# KiCad board INS-1 Matrix Display.kicad_pcb (continued)
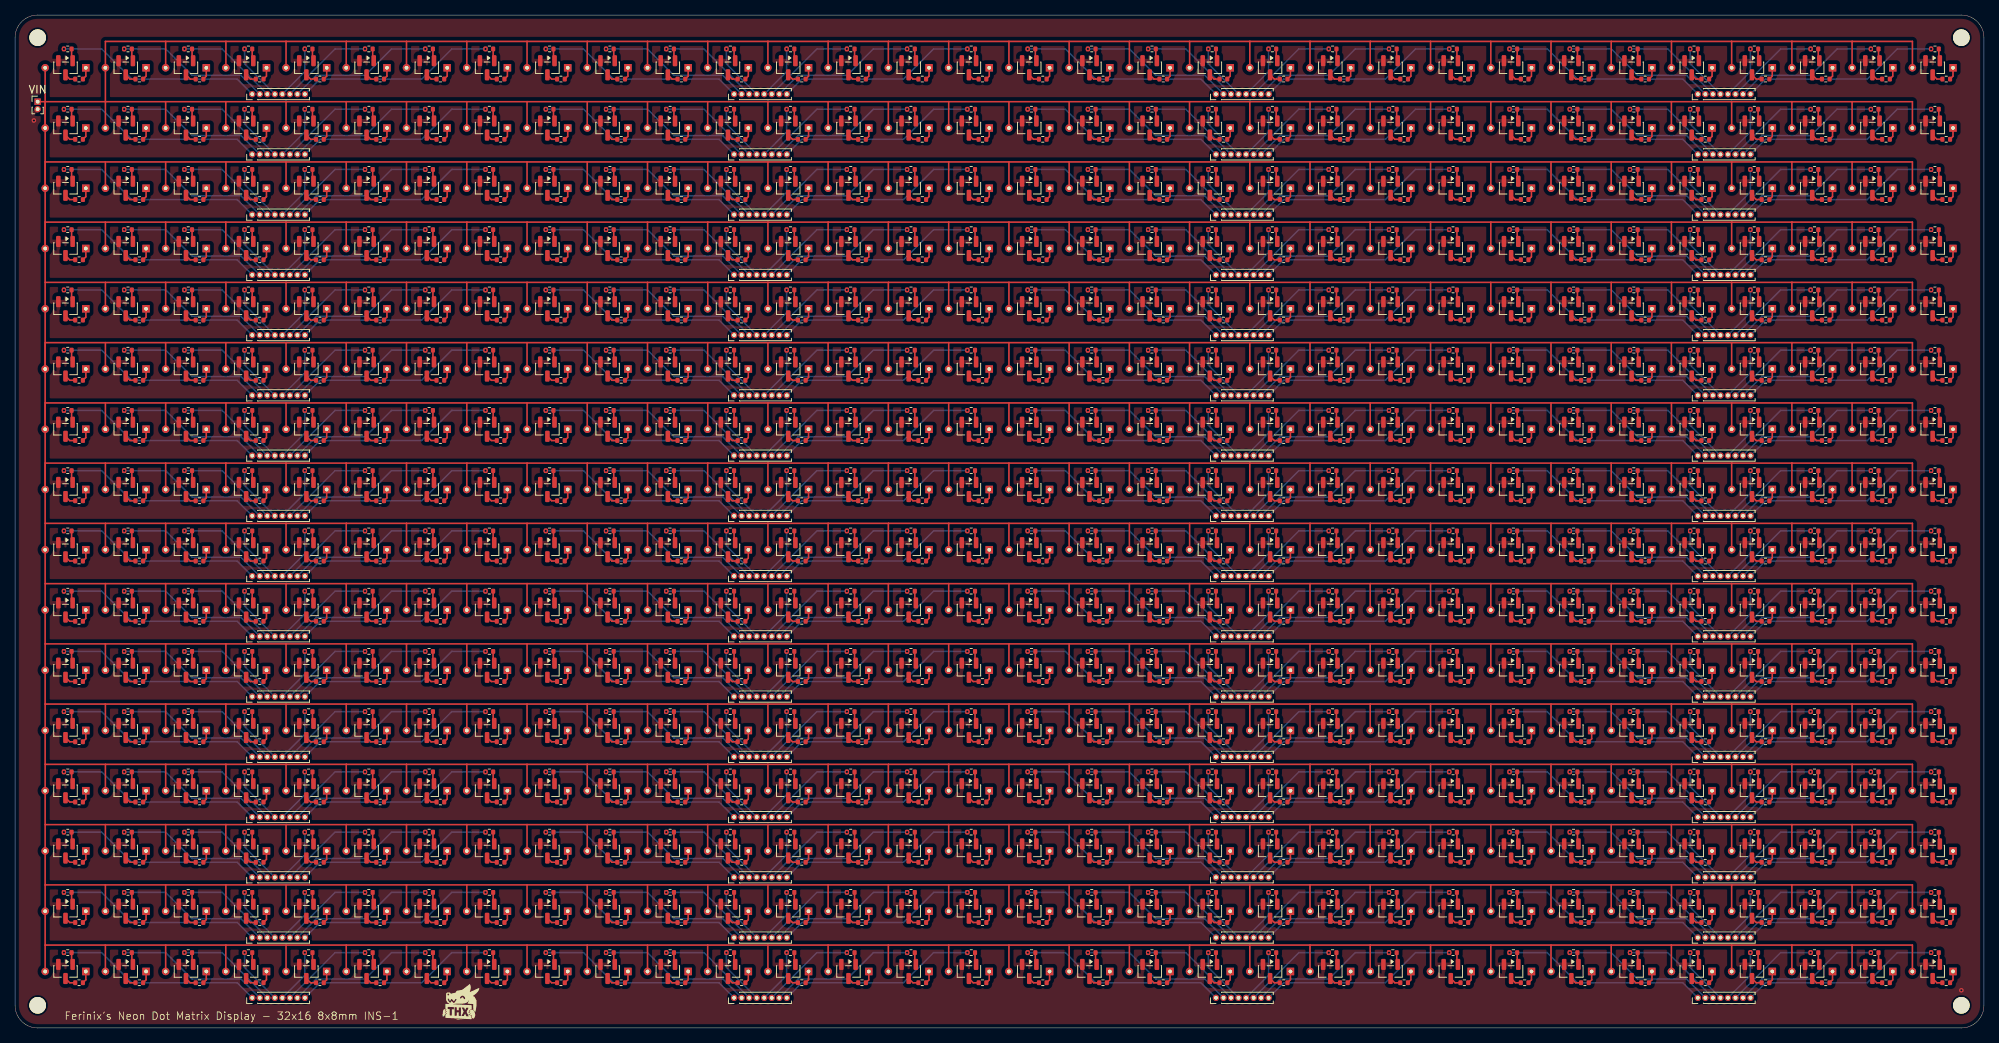
[diagram p0: board, top side]
## Routing (per net, layer and track width the routed paths; a pad name or vN(x,y) marks a point on that pad's centre or on a via; arc(x,y) is an arc through that point) (continued)
  Bottom w0.2: RegisterLane#20.1 157.5,30 143.5,30 139.5,34 v1(134.49,34) ; RegisterLane#20.8 168.5,30 182,30 186,34 v1(190.48,34) ; v1(206.49,90) 212,90 215.5,86.5 222,86.5 RegisterLane#42.2 ; v1(14.49,106) 20,106 23.5,102.5 30,102.5 RegisterLane#31.2 ; RegisterLane#47.3 219.5,82 v1(214.49,82) ; v1(254.48,82) 250,82 246,78 232.5,78 RegisterLane#47.8 ; RegisterLane#56.2 30,118.5 23.5,118.5 20,122 v1(14.49,122) ; v1(150.49,122) 155.5,122 RegisterLane.3 ; v1(190.48,26) 186,26 182,22 168.5,22 RegisterLane#23.8 ; RegisterLane#20.2 158,30.5 151.5,30.5 148,34 v1(142.49,34) ; RegisterLane#26.7 232,46.5 238.5,46.5 242,50 v1(246.48,50) ; RegisterLane#27.8 232.5,110 246,110 250,114 v1(254.48,114) ; RegisterLane#43.2 30,22.5 23.5,22.5 20,26 v1(14.49,26) ; v1(110.48,42) 106.5,42 RegisterLane#54.6 ; v1(254.48,74) 250,74 246,70 232.5,70 RegisterLane#64.8 ; v1(190.48,130) 186,130 182,126 168.5,126 RegisterLane#35.8 ; v1(182.48,58) 178,58 174.5,54.5 168,54.5 RegisterLane#53.7 ; v1(198.49,114) 203.5,114 207.5,110 221.5,110 RegisterLane#27.1 ; v1(214.49,10) 219.5,10 RegisterLane#10.3 ; v1(198.49,74) 203.5,74 207.5,70 221.5,70 RegisterLane#64.1 ; RegisterLane#17.3 91.5,50 v1(86.49,50) ; RegisterLane#58.7 232,102.5 238.5,102.5 242,106 v1(246.48,106) ; v1(174.48,26) 170.5,26 RegisterLane#23.6 ; RegisterLane#20.3 155.5,34 v1(150.49,34) ; RegisterLane#58.2 222,102.5 215.5,102.5 212,106 v1(206.49,106) ; v1(246.48,66) 242,66 238.5,62.5 232,62.5 RegisterLane#50.7 ; v1(150.49,130) 155.5,130 RegisterLane#35.3 ; v1(222.48,42) 222.48,40.02 RegisterLane#3.4 ; v1(142.49,98) 148,98 151.5,94.5 158,94.5 RegisterLane#32.2 ; v1(222.48,18) 222.48,16.02 RegisterLane#46.4 ; RegisterLane#56.7 40,118.5 46.5,118.5 50,122 v1(54.48,122) ; RegisterLane#43.3 27.5,26 v1(22.49,26) ; RegisterLane#4.2 30,70.5 23.5,70.5 20,74 v1(14.49,74) ; RegisterLane#48.3 155.5,114 v1(150.49,114) ; v1(94.48,106) 94.48,104.02 RegisterLane#60.4 ; v1(174.48,34) 170.5,34 RegisterLane#20.6 ; RegisterLane#41.8 232.5,94 246,94 250,98 v1(254.48,98) ; RegisterLane#28.1 157.5,6 143.5,6 139.5,10 v1(134.49,10) ; RegisterLane#11.5 102.48,126.98 v1(102.48,130) ; RegisterLane#36.7 104,54.5 110.5,54.5 114,58 v1(118.48,58) ; RegisterLane#8.5 38.48,78.98 v1(38.48,82) ; v1(190.48,82) 186,82 182,78 168.5,78 RegisterLane#51.8 ; RegisterLane#9.4 222.48,56.02 v1(222.48,58) ; RegisterLane#36.1 93.5,54 79.5,54 75.5,58 v1(70.49,58) ; RegisterLane#31.7 40,102.5 46.5,102.5 50,106 v1(54.48,106) ; v1(254.48,90) 250,90 246,86 232.5,86 RegisterLane#42.8 ; v1(166.48,114) 166.48,110.98 RegisterLane#48.5 ; v1(6.49,50) 11.5,50 15.5,46 29.5,46 RegisterLane#19.1 ; v1(150.49,74) 155.5,74 RegisterLane#49.3 ; RegisterLane#54.8 104.5,38 118,38 122,42 v1(126.48,42) ; v1(238.48,34) 234.5,34 RegisterLane#24.6 ; v1(118.48,50) 114,50 110.5,46.5 104,46.5 RegisterLane#17.7 ; v1(198.49,82) 203.5,82 207.5,78 221.5,78 RegisterLane#47.1 ; RegisterLane#11.4 94.48,128.02 v1(94.48,130) ; RegisterLane#35.4 158.48,128.02 v1(158.48,130) ; v1(6.49,106) 11.5,106 15.5,102 29.5,102 RegisterLane#31.1 ; RegisterLane#13.2 30,62.5 23.5,62.5 20,66 v1(14.49,66) ; RegisterLane#51.2 158,78.5 151.5,78.5 148,82 v1(142.49,82) ; v1(134.49,90) 139.5,90 143.5,86 157.5,86 RegisterLane#30.1 ; v1(70.49,90) 75.5,90 79.5,86 93.5,86 RegisterLane#45.1 ; RegisterLane#55.6 106.5,82 v1(110.48,82) ; RegisterLane#50.1 221.5,62 207.5,62 203.5,66 v1(198.49,66) ; v1(126.48,34) 122,34 118,30 104.5,30 RegisterLane#39.8 ; v1(70.49,50) 75.5,50 79.5,46 93.5,46 RegisterLane#17.1 ; v1(22.49,82) 27.5,82 RegisterLane#8.3 ; v1(206.49,122) 212,122 215.5,118.5 222,118.5 RegisterLane#61.2 ; RegisterLane#33.8 104.5,14 118,14 122,18 v1(126.48,18) ; v1(22.49,114) 27.5,114 RegisterLane#59.3 ; v1(78.49,106) 84,106 87.5,102.5 94,102.5 RegisterLane#60.2 ; RegisterLane#37.3 27.5,18 v1(22.49,18) ; RegisterLane#7.3 219.5,26 v1(214.49,26) ; RegisterLane#9.1 221.5,54 207.5,54 203.5,58 v1(198.49,58) ; RegisterLane#23.1 157.5,22 143.5,22 139.5,26 v1(134.49,26) ; RegisterLane#62.7 40,126.5 46.5,126.5 50,130 v1(54.48,130) ; v1(158.48,42) 158.48,40.02 RegisterLane#21.4 ; RegisterLane#13.6 42.5,66 v1(46.48,66) ; v1(118.48,98) 114,98 110.5,94.5 104,94.5 RegisterLane#2.7 ; v1(46.48,90) 42.5,90 RegisterLane#34.6 ; v1(46.48,18) 42.5,18 RegisterLane#37.6 ; RegisterLane#58.6 234.5,106 v1(238.48,106) ; RegisterLane#49.8 168.5,70 182,70 186,74 v1(190.48,74) ; RegisterLane#40.5 102.48,6.98 v1(102.48,10) ; v1(94.48,74) 94.48,72.02 RegisterLane#14.4 ; v1(190.48,50) 186,50 182,46 168.5,46 RegisterLane#22.8 ; v1(118.48,18) 114,18 110.5,14.5 104,14.5 RegisterLane#33.7 ; v1(158.48,50) 158.48,48.02 RegisterLane#22.4 ; RegisterLane#4.4 30.48,72.02 v1(30.48,74) ; RegisterLane#54.7 104,38.5 110.5,38.5 114,42 v1(118.48,42) ; v1(30.48,34) 30.48,32.02 RegisterLane#63.4 ; RegisterLane#27.7 232,110.5 238.5,110.5 242,114 v1(246.48,114) ; v1(22.49,90) 27.5,90 RegisterLane#34.3 ; RegisterLane#48.6 170.5,114 v1(174.48,114) ; v1(134.49,122) 139.5,122 143.5,118 157.5,118 RegisterLane.1 ; RegisterLane#30.2 158,86.5 151.5,86.5 148,90 v1(142.49,90) ; RegisterLane#52.2 158,62.5 151.5,62.5 148,66 v1(142.49,66) ; RegisterLane#36.5 102.48,54.98 v1(102.48,58) ; v1(78.49,130) 84,130 87.5,126.5 94,126.5 RegisterLane#11.2 ; v1(166.48,34) 166.48,30.98 RegisterLane#20.5 ; RegisterLane#5.5 166.48,14.98 v1(166.48,18) ; v1(6.49,26) 11.5,26 15.5,22 29.5,22 RegisterLane#43.1 ; RegisterLane#52.6 170.5,66 v1(174.48,66) ; v1(46.48,74) 42.5,74 RegisterLane#4.6 ; v1(14.49,34) 20,34 23.5,30.5 30,30.5 RegisterLane#63.2 ; v1(86.49,10) 91.5,10 RegisterLane#40.3 ; RegisterLane#11.8 104.5,126 118,126 122,130 v1(126.48,130) ; RegisterLane#3.1 221.5,38 207.5,38 203.5,42 v1(198.49,42) ; v1(86.49,98) 91.5,98 RegisterLane#2.3 ; RegisterLane#61.3 219.5,122 v1(214.49,122) ; v1(142.49,42) 148,42 151.5,38.5 158,38.5 RegisterLane#21.2 ; RegisterLane#50.5 230.48,62.98 v1(230.48,66) ; v1(70.49,122) 75.5,122 79.5,118 93.5,118 RegisterLane#44.1 ; RegisterLane#37.4 30.48,16.02 v1(30.48,18) ; RegisterLane#57.7 168,102.5 174.5,102.5 178,106 v1(182.48,106) ; v1(54.48,74) 50,74 46.5,70.5 40,70.5 RegisterLane#4.7 ; v1(110.48,74) 106.5,74 RegisterLane#14.6 ; RegisterLane#25.6 106.5,66 v1(110.48,66) ; RegisterLane#22.5 166.48,46.98 v1(166.48,50) ; v1(238.48,42) 234.5,42 RegisterLane#3.6 ; RegisterLane#22.6 170.5,50 v1(174.48,50) ; RegisterLane#24.8 232.5,30 246,30 250,34 v1(254.48,34) ; v1(190.48,122) 186,122 182,118 168.5,118 RegisterLane.8 ; v1(70.49,18) 75.5,18 79.5,14 93.5,14 RegisterLane#33.1 ; RegisterLane#26.4 222.48,48.02 v1(222.48,50) ; RegisterLane#13.4 30.48,64.02 v1(30.48,66) ; v1(78.49,34) 84,34 87.5,30.5 94,30.5 RegisterLane#39.2 ; RegisterLane#36.2 94,54.5 87.5,54.5 84,58 v1(78.49,58) ; v1(118.48,34) 114,34 110.5,30.5 104,30.5 RegisterLane#39.7 ; RegisterLane#18.5 102.48,110.98 v1(102.48,114) ; v1(190.48,106) 186,106 182,102 168.5,102 RegisterLane#57.8 ; v1(30.48,90) 30.48,88.02 RegisterLane#34.4 ; v1(54.48,98) 50,98 46.5,94.5 40,94.5 RegisterLane#29.7 ; v1(182.48,26) 178,26 174.5,22.5 168,22.5 RegisterLane#23.7 ; RegisterLane#32.5 166.48,94.98 v1(166.48,98) ; v1(38.48,130) 38.48,126.98 RegisterLane#62.5 ; RegisterLane#61.6 234.5,122 v1(238.48,122) ; RegisterLane#59.1 29.5,110 15.5,110 11.5,114 v1(6.49,114) ; v1(70.49,34) 75.5,34 79.5,30 93.5,30 RegisterLane#39.1 ; v1(206.49,82) 212,82 215.5,78.5 222,78.5 RegisterLane#47.2 ; RegisterLane#14.1 93.5,70 79.5,70 75.5,74 v1(70.49,74) ; RegisterLane#18.1 93.5,110 79.5,110 75.5,114 v1(70.49,114) ; RegisterLane#4.5 38.48,70.98 v1(38.48,74) ; v1(150.49,106) 155.5,106 RegisterLane#57.3 ; RegisterLane#47.5 230.48,78.98 v1(230.48,82) ; RegisterLane#10.2 222,6.5 215.5,6.5 212,10 v1(206.49,10) ; RegisterLane#11.6 106.5,130 v1(110.48,130) ; RegisterLane#18.4 94.48,112.02 v1(94.48,114) ; RegisterLane#4.1 29.5,70 15.5,70 11.5,74 v1(6.49,74) ; RegisterLane#54.3 91.5,42 v1(86.49,42) ; RegisterLane#26.2 222,46.5 215.5,46.5 212,50 v1(206.49,50) ; RegisterLane#29.4 30.48,96.02 v1(30.48,98) ; RegisterLane#40.7 104,6.5 110.5,6.5 114,10 v1(118.48,10) ; v1(158.48,114) 158.48,112.02 RegisterLane#48.4 ; RegisterLane#55.7 104,78.5 110.5,78.5 114,82 v1(118.48,82) ; RegisterLane#42.4 222.48,88.02 v1(222.48,90) ; v1(142.49,18) 148,18 151.5,14.5 158,14.5 RegisterLane#5.2 ; RegisterLane#34.2 30,86.5 23.5,86.5 20,90 v1(14.49,90) ; RegisterLane#30.8 168.5,86 182,86 186,90 v1(190.48,90) ; v1(30.48,10) 30.48,8.02 RegisterLane#15.4 ; v1(182.48,98) 178,98 174.5,94.5 168,94.5 RegisterLane#32.7 ; v1(38.48,26) 38.48,22.98 RegisterLane#43.5 ; v1(110.48,26) 106.5,26 RegisterLane#38.6 ; v1(166.48,82) 166.48,78.98 RegisterLane#51.5 ; RegisterLane#25.5 102.48,62.98 v1(102.48,66) ; RegisterLane#24.7 232,30.5 238.5,30.5 242,34 v1(246.48,34) ; RegisterLane.2 158,118.5 151.5,118.5 148,122 v1(142.49,122) ; RegisterLane#3.2 222,38.5 215.5,38.5 212,42 v1(206.49,42) ; RegisterLane#54.1 93.5,38 79.5,38 75.5,42 v1(70.49,42) ; RegisterLane#12.3 27.5,42 v1(22.49,42) ; RegisterLane#40.6 106.5,10 v1(110.48,10) ; RegisterLane#44.6 106.5,122 v1(110.48,122) ; v1(6.49,98) 11.5,98 15.5,94 29.5,94 RegisterLane#29.1 ; v1(254.48,66) 250,66 246,62 232.5,62 RegisterLane#50.8 ; RegisterLane#62.1 29.5,126 15.5,126 11.5,130 v1(6.49,130) ; RegisterLane#24.3 219.5,34 v1(214.49,34) ; v1(102.48,18) 102.48,14.98 RegisterLane#33.5 ; RegisterLane#32.3 155.5,98 v1(150.49,98) ; RegisterLane#38.2 94,22.5 87.5,22.5 84,26 v1(78.49,26) ; v1(38.48,34) 38.48,30.98 RegisterLane#63.5 ; RegisterLane#12.5 38.48,38.98 v1(38.48,42) ; RegisterLane#5.3 155.5,18 v1(150.49,18) ; RegisterLane#59.8 40.5,110 54,110 58,114 v1(62.48,114) ; RegisterLane.5 166.48,118.98 v1(166.48,122) ; v1(158.48,26) 158.48,24.02 RegisterLane#23.4 ; v1(214.49,42) 219.5,42 RegisterLane#3.3 ; v1(54.48,10) 50,10 46.5,6.5 40,6.5 RegisterLane#15.7 ; RegisterLane#41.3 219.5,98 v1(214.49,98) ; RegisterLane#56.1 29.5,118 15.5,118 11.5,122 v1(6.49,122) ; v1(182.48,90) 178,90 174.5,86.5 168,86.5 RegisterLane#30.7 ; RegisterLane#15.3 27.5,10 v1(22.49,10) ; v1(70.49,10) 75.5,10 79.5,6 93.5,6 RegisterLane#40.1 ; RegisterLane#62.4 30.48,128.02 v1(30.48,130) ; RegisterLane#16.5 230.48,126.98 v1(230.48,130) ; RegisterLane#13.8 40.5,62 54,62 58,66 v1(62.48,66) ; RegisterLane#51.4 158.48,80.02 v1(158.48,82) ; RegisterLane#30.6 170.5,90 v1(174.48,90) ; v1(22.49,74) 27.5,74 RegisterLane#4.3 ; v1(238.48,82) 234.5,82 RegisterLane#47.6 ; v1(62.48,130) 58,130 54,126 40.5,126 RegisterLane#62.8 ; RegisterLane#14.2 94,70.5 87.5,70.5 84,74 v1(78.49,74) ; RegisterLane#12.6 42.5,42 v1(46.48,42) ; RegisterLane#53.6 170.5,58 v1(174.48,58) ; v1(118.48,114) 114,114 110.5,110.5 104,110.5 RegisterLane#18.7 ; RegisterLane.4 158.48,120.02 v1(158.48,122) ; v1(246.48,74) 242,74 238.5,70.5 232,70.5 RegisterLane#64.7 ; v1(134.49,18) 139.5,18 143.5,14 157.5,14 RegisterLane#5.1 ; RegisterLane#60.3 91.5,106 v1(86.49,106) ; v1(206.49,18) 212,18 215.5,14.5 222,14.5 RegisterLane#46.2 ; RegisterLane#50.4 222.48,64.02 v1(222.48,66) ; v1(14.49,82) 20,82 23.5,78.5 30,78.5 RegisterLane#8.2 ; RegisterLane#25.4 94.48,64.02 v1(94.48,66) ; v1(30.48,82) 30.48,80.02 RegisterLane#8.4 ; v1(166.48,58) 166.48,54.98 RegisterLane#53.5 ; RegisterLane#27.4 222.48,112.02 v1(222.48,114) ; v1(126.48,10) 122,10 118,6 104.5,6 RegisterLane#40.8 ; v1(54.48,26) 50,26 46.5,22.5 40,22.5 RegisterLane#43.7 ; v1(54.48,34) 50,34 46.5,30.5 40,30.5 RegisterLane#63.7 ; v1(214.49,130) 219.5,130 RegisterLane#16.3 ; v1(166.48,106) 166.48,102.98 RegisterLane#57.5 ; v1(126.48,90) 122,90 118,86 104.5,86 RegisterLane#45.8 ; v1(174.48,42) 170.5,42 RegisterLane#21.6 ; RegisterLane#55.3 91.5,82 v1(86.49,82) ; RegisterLane#36.3 91.5,58 v1(86.49,58) ; RegisterLane#59.7 40,110.5 46.5,110.5 50,114 v1(54.48,114) ; v1(54.48,90) 50,90 46.5,86.5 40,86.5 RegisterLane#34.7 ; v1(158.48,98) 158.48,96.02 RegisterLane#32.4 ; RegisterLane#64.6 234.5,74 v1(238.48,74) ; RegisterLane#15.5 38.48,6.98 v1(38.48,10) ; RegisterLane#43.6 42.5,26 v1(46.48,26) ; RegisterLane#17.2 94,46.5 87.5,46.5 84,50 v1(78.49,50) ; v1(182.48,122) 178,122 174.5,118.5 168,118.5 RegisterLane.7 ; v1(134.49,82) 139.5,82 143.5,78 157.5,78 RegisterLane#51.1 ; v1(70.49,130) 75.5,130 79.5,126 93.5,126 RegisterLane#11.1 ; RegisterLane#14.3 91.5,74 v1(86.49,74) ; v1(38.48,98) 38.48,94.98 RegisterLane#29.5 ; v1(22.49,66) 27.5,66 RegisterLane#13.3 ; v1(230.48,26) 230.48,22.98 RegisterLane#7.5 ; RegisterLane#40.4 94.48,8.02 v1(94.48,10) ; v1(102.48,50) 102.48,46.98 RegisterLane#17.5 ; RegisterLane#38.7 104,22.5 110.5,22.5 114,26 v1(118.48,26) ; RegisterLane#26.8 232.5,46 246,46 250,50 v1(254.48,50) ; RegisterLane#28.5 166.48,6.98 v1(166.48,10) ; v1(134.49,98) 139.5,98 143.5,94 157.5,94 RegisterLane#32.1 ; RegisterLane#15.1 29.5,6 15.5,6 11.5,10 v1(6.49,10) ; RegisterLane#17.8 104.5,46 118,46 122,50 v1(126.48,50) ; RegisterLane#12.8 40.5,38 54,38 58,42 v1(62.48,42) ; v1(182.48,34) 178,34 174.5,30.5 168,30.5 RegisterLane#20.7 ; v1(198.49,122) 203.5,122 207.5,118 221.5,118 RegisterLane#61.1 ; RegisterLane#45.4 94.48,88.02 v1(94.48,90) ; v1(38.48,58) 38.48,54.98 RegisterLane#6.5 ; RegisterLane#47.4 222.48,80.02 v1(222.48,82) ; RegisterLane#37.7 40,14.5 46.5,14.5 50,18 v1(54.48,18) ; v1(30.48,114) 30.48,112.02 RegisterLane#59.4 ; v1(110.48,50) 106.5,50 RegisterLane#17.6 ; v1(230.48,34) 230.48,30.98 RegisterLane#24.5 ; RegisterLane#25.7 104,62.5 110.5,62.5 114,66 v1(118.48,66) ; v1(46.48,122) 42.5,122 RegisterLane#56.6 ; v1(22.49,58) 27.5,58 RegisterLane#6.3 ; v1(142.49,114) 148,114 151.5,110.5 158,110.5 RegisterLane#48.2 ; RegisterLane#63.1 29.5,30 15.5,30 11.5,34 v1(6.49,34) ; v1(166.48,26) 166.48,22.98 RegisterLane#23.5 ; v1(150.49,50) 155.5,50 RegisterLane#22.3 ; v1(86.49,114) 91.5,114 RegisterLane#18.3 ; v1(214.49,90) 219.5,90 RegisterLane#42.3 ; v1(38.48,66) 38.48,62.98 RegisterLane#13.5 ; v1(110.48,98) 106.5,98 RegisterLane#2.6 ; v1(102.48,106) 102.48,102.98 RegisterLane#60.5 ; RegisterLane#52.4 158.48,64.02 v1(158.48,66) ; v1(134.49,130) 139.5,130 143.5,126 157.5,126 RegisterLane#35.1 ; v1(174.48,74) 170.5,74 RegisterLane#49.6 ; RegisterLane#51.6 170.5,82 v1(174.48,82) ; RegisterLane#45.6 106.5,90 v1(110.48,90) ; v1(246.48,42) 242,42 238.5,38.5 232,38.5 RegisterLane#3.7 ; RegisterLane#52.8 168.5,62 182,62 186,66 v1(190.48,66) ; v1(214.49,58) 219.5,58 RegisterLane#9.3 ; v1(206.49,58) 212,58 215.5,54.5 222,54.5 RegisterLane#9.2 ; RegisterLane#48.7 168,110.5 174.5,110.5 178,114 v1(182.48,114) ; RegisterLane#45.5 102.48,86.98 v1(102.48,90) ; v1(118.48,74) 114,74 110.5,70.5 104,70.5 RegisterLane#14.7 ; v1(214.49,106) 219.5,106 RegisterLane#58.3 ; RegisterLane#9.5 230.48,54.98 v1(230.48,58) ; v1(126.48,26) 122,26 118,22 104.5,22 RegisterLane#38.8 ; v1(238.48,58) 234.5,58 RegisterLane#9.6 ; RegisterLane#22.7 168,46.5 174.5,46.5 178,50 v1(182.48,50) ; RegisterLane#16.8 232.5,126 246,126 250,130 v1(254.48,130) ; RegisterLane#41.7 232,94.5 238.5,94.5 242,98 v1(246.48,98) ; v1(62.48,90) 58,90 54,86 40.5,86 RegisterLane#34.8 ; RegisterLane#57.1 157.5,102 143.5,102 139.5,106 v1(134.49,106) ; RegisterLane#27.3 219.5,114 v1(214.49,114) ; RegisterLane#23.3 155.5,26 v1(150.49,26) ; v1(206.49,98) 212,98 215.5,94.5 222,94.5 RegisterLane#41.2 ; v1(62.48,18) 58,18 54,14 40.5,14 RegisterLane#37.8 ; v1(78.49,18) 84,18 87.5,14.5 94,14.5 RegisterLane#33.2 ; v1(38.48,50) 38.48,46.98 RegisterLane#19.5 ; RegisterLane#35.7 168,126.5 174.5,126.5 178,130 v1(182.48,130) ; RegisterLane#2.2 94,94.5 87.5,94.5 84,98 v1(78.49,98) ; v1(22.49,98) 27.5,98 RegisterLane#29.3 ; v1(94.48,34) 94.48,32.02 RegisterLane#39.4 ; RegisterLane#44.3 91.5,122 v1(86.49,122) ; v1(102.48,26) 102.48,22.98 RegisterLane#38.5 ; RegisterLane#40.2 94,6.5 87.5,6.5 84,10 v1(78.49,10) ; v1(150.49,90) 155.5,90 RegisterLane#30.3 ; RegisterLane#57.2 158,102.5 151.5,102.5 148,106 v1(142.49,106) ; v1(30.48,42) 30.48,40.02 RegisterLane#12.4 ; RegisterLane#45.3 91.5,90 v1(86.49,90) ; v1(118.48,106) 114,106 110.5,102.5 104,102.5 RegisterLane#60.7 ; RegisterLane#5.7 168,14.5 174.5,14.5 178,18 v1(182.48,18) ; RegisterLane#56.3 27.5,122 v1(22.49,122) ; RegisterLane#38.1 93.5,22 79.5,22 75.5,26 v1(70.49,26) ; v1(174.48,98) 170.5,98 RegisterLane#32.6 ; RegisterLane#56.8 40.5,118 54,118 58,122 v1(62.48,122) ; v1(230.48,74) 230.48,70.98 RegisterLane#64.5 ; RegisterLane#54.5 102.48,38.98 v1(102.48,42) ; RegisterLane#37.5 38.48,14.98 v1(38.48,18) ; RegisterLane#6.7 40,54.5 46.5,54.5 50,58 v1(54.48,58) ; v1(86.49,66) 91.5,66 RegisterLane#25.3 ; v1(46.48,114) 42.5,114 RegisterLane#59.6 ; RegisterLane#19.7 40,46.5 46.5,46.5 50,50 v1(54.48,50) ; RegisterLane#28.7 168,6.5 174.5,6.5 178,10 v1(182.48,10) ; v1(158.48,18) 158.48,16.02 RegisterLane#5.4 ; RegisterLane#9.8 232.5,54 246,54 250,58 v1(254.48,58) ; v1(126.48,122) 122,122 118,118 104.5,118 RegisterLane#44.8 ; v1(46.48,106) 42.5,106 RegisterLane#31.6 ; v1(190.48,42) 186,42 182,38 168.5,38 RegisterLane#21.8 ; v1(166.48,130) 166.48,126.98 RegisterLane#35.5 ; v1(70.49,66) 75.5,66 79.5,62 93.5,62 RegisterLane#25.1 ; v1(30.48,50) 30.48,48.02 RegisterLane#19.4 ; RegisterLane#60.8 104.5,102 118,102 122,106 v1(126.48,106) ; v1(110.48,114) 106.5,114 RegisterLane#18.6 ; RegisterLane#61.4 222.48,120.02 v1(222.48,122) ; v1(182.48,82) 178,82 174.5,78.5 168,78.5 RegisterLane#51.7 ; RegisterLane#7.7 232,22.5 238.5,22.5 242,26 v1(246.48,26) ; v1(254.48,122) 250,122 246,118 232.5,118 RegisterLane#61.8 ; RegisterLane#61.5 230.48,118.98 v1(230.48,122) ; v1(190.48,10) 186,10 182,6 168.5,6 RegisterLane#28.8 ; RegisterLane#55.4 94.48,80.02 v1(94.48,82) ; RegisterLane#3.8 232.5,38 246,38 250,42 v1(254.48,42) ; v1(46.48,82) 42.5,82 RegisterLane#8.6 ; RegisterLane#44.4 94.48,120.02 v1(94.48,122) ; v1(54.48,82) 50,82 46.5,78.5 40,78.5 RegisterLane#8.7 ; RegisterLane#63.6 42.5,34 v1(46.48,34) ; RegisterLane#63.8 40.5,30 54,30 58,34 v1(62.48,34) ; v1(254.48,26) 250,26 246,22 232.5,22 RegisterLane#7.8 ; v1(174.48,18) 170.5,18 RegisterLane#5.6 ; v1(78.49,82) 84,82 87.5,78.5 94,78.5 RegisterLane#55.2 ; v1(222.48,74) 222.48,72.02 RegisterLane#64.4 ; RegisterLane#10.5 230.48,6.98 v1(230.48,10) ; RegisterLane#15.6 42.5,10 v1(46.48,10) ; v1(14.49,58) 20,58 23.5,54.5 30,54.5 RegisterLane#6.2 ; v1(206.49,34) 212,34 215.5,30.5 222,30.5 RegisterLane#24.2 ; RegisterLane#12.7 40,38.5 46.5,38.5 50,42 v1(54.48,42) ; RegisterLane#12.2 30,38.5 23.5,38.5 20,42 v1(14.49,42) ; v1(78.49,90) 84,90 87.5,86.5 94,86.5 RegisterLane#45.2 ; RegisterLane#2.8 104.5,94 118,94 122,98 v1(126.48,98) ; RegisterLane#34.5 38.48,86.98 v1(38.48,90) ; v1(86.49,34) 91.5,34 RegisterLane#39.3 ; v1(238.48,66) 234.5,66 RegisterLane#50.6 ; RegisterLane#31.3 27.5,106 v1(22.49,106) ; RegisterLane#26.3 219.5,50 v1(214.49,50) ; v1(6.49,18) 11.5,18 15.5,14 29.5,14 RegisterLane#37.1 ; RegisterLane#6.8 40.5,54 54,54 58,58 v1(62.48,58) ; RegisterLane#12.1 29.5,38 15.5,38 11.5,42 v1(6.49,42) ; v1(254.48,10) 250,10 246,6 232.5,6 RegisterLane#10.8 ; v1(62.48,82) 58,82 54,78 40.5,78 RegisterLane#8.8 ; v1(246.48,90) 242,90 238.5,86.5 232,86.5 RegisterLane#42.7 ; RegisterLane#6.4 30.48,56.02 v1(30.48,58) ; v1(30.48,26) 30.48,24.02 RegisterLane#43.4 ; v1(94.48,58) 94.48,56.02 RegisterLane#36.4 ; v1(150.49,82) 155.5,82 RegisterLane#51.3 ; v1(182.48,74) 178,74 174.5,70.5 168,70.5 RegisterLane#49.7 ; RegisterLane#59.2 30,110.5 23.5,110.5 20,114 v1(14.49,114) ; v1(134.49,74) 139.5,74 143.5,70 157.5,70 RegisterLane#49.1 ; v1(222.48,10) 222.48,8.02 RegisterLane#10.4 ; RegisterLane#31.8 40.5,102 54,102 58,106 v1(62.48,106) ; v1(126.48,82) 122,82 118,78 104.5,78 RegisterLane#55.8 ; RegisterLane#62.6 42.5,130 v1(46.48,130) ; v1(38.48,122) 38.48,118.98 RegisterLane#56.5 ; RegisterLane#53.2 158,54.5 151.5,54.5 148,58 v1(142.49,58) ; RegisterLane#29.8 40.5,94 54,94 58,98 v1(62.48,98) ; v1(62.48,50) 58,50 54,46 40.5,46 RegisterLane#19.8 ; RegisterLane#41.4 222.48,96.02 v1(222.48,98) ; RegisterLane#49.2 158,70.5 151.5,70.5 148,74 v1(142.49,74) ; v1(174.48,106) 170.5,106 RegisterLane#57.6 ; v1(78.49,42) 84,42 87.5,38.5 94,38.5 RegisterLane#54.2 ; v1(86.49,18) 91.5,18 RegisterLane#33.3 ; RegisterLane#62.2 30,126.5 23.5,126.5 20,130 v1(14.49,130) ; v1(142.49,50) 148,50 151.5,46.5 158,46.5 RegisterLane#22.2 ; v1(142.49,26) 148,26 151.5,22.5 158,22.5 RegisterLane#23.2 ; RegisterLane#16.2 222,126.5 215.5,126.5 212,130 v1(206.49,130) ; RegisterLane#63.3 27.5,34 v1(22.49,34) ; v1(102.48,34) 102.48,30.98 RegisterLane#39.5 ; RegisterLane#8.1 29.5,78 15.5,78 11.5,82 v1(6.49,82) ; v1(198.49,10) 203.5,10 207.5,6 221.5,6 RegisterLane#10.1 ; v1(134.49,114) 139.5,114 143.5,110 157.5,110 RegisterLane#48.1 ; RegisterLane#29.2 30,94.5 23.5,94.5 20,98 v1(14.49,98) ; v1(134.49,42) 139.5,42 143.5,38 157.5,38 RegisterLane#21.1 ; RegisterLane#28.2 158,6.5 151.5,6.5 148,10 v1(142.49,10) ; RegisterLane#44.5 102.48,118.98 v1(102.48,122) ; v1(102.48,74) 102.48,70.98 RegisterLane#14.5 ; v1(54.48,66) 50,66 46.5,62.5 40,62.5 RegisterLane#13.7 ; v1(222.48,130) 222.48,128.02 RegisterLane#16.4 ; v1(126.48,114) 122,114 118,110 104.5,110 RegisterLane#18.8 ; v1(198.49,130) 203.5,130 207.5,126 221.5,126 RegisterLane#16.1 ; v1(254.48,106) 250,106 246,102 232.5,102 RegisterLane#58.8 ; RegisterLane#42.1 221.5,86 207.5,86 203.5,90 v1(198.49,90) ; RegisterLane#7.1 221.5,22 207.5,22 203.5,26 v1(198.49,26) ; RegisterLane#5.8 168.5,14 182,14 186,18 v1(190.48,18) ; v1(150.49,66) 155.5,66 RegisterLane#52.3 ; RegisterLane#53.3 155.5,58 v1(150.49,58) ; v1(134.49,66) 139.5,66 143.5,62 157.5,62 RegisterLane#52.1 ; v1(198.49,98) 203.5,98 207.5,94 221.5,94 RegisterLane#41.1 ; v1(198.49,50) 203.5,50 207.5,46 221.5,46 RegisterLane#26.1 ; v1(30.48,122) 30.48,120.02 RegisterLane#56.4 ; v1(46.48,98) 42.5,98 RegisterLane#29.6 ; v1(62.48,26) 58,26 54,22 40.5,22 RegisterLane#43.8 ; v1(118.48,130) 114,130 110.5,126.5 104,126.5 RegisterLane#11.7 ; RegisterLane#28.6 170.5,10 v1(174.48,10) ; RegisterLane#21.3 155.5,42 v1(150.49,42) ; RegisterLane#15.8 40.5,6 54,6 58,10 v1(62.48,10) ; RegisterLane#38.4 94.48,24.02 v1(94.48,26) ; v1(174.48,130) 170.5,130 RegisterLane#35.6 ; v1(230.48,106) 230.48,102.98 RegisterLane#58.5 ; v1(238.48,90) 234.5,90 RegisterLane#42.6 ; RegisterLane#13.1 29.5,62 15.5,62 11.5,66 v1(6.49,66) ; v1(174.48,122) 170.5,122 RegisterLane.6 ; v1(110.48,34) 106.5,34 RegisterLane#39.6 ; v1(78.49,114) 84,114 87.5,110.5 94,110.5 RegisterLane#18.2 ; RegisterLane#46.7 232,14.5 238.5,14.5 242,18 v1(246.48,18) ; v1(22.49,50) 27.5,50 RegisterLane#19.3 ; RegisterLane#46.1 221.5,14 207.5,14 203.5,18 v1(198.49,18) ; RegisterLane#3.5 230.48,38.98 v1(230.48,42) ; v1(230.48,18) 230.48,14.98 RegisterLane#46.5 ; RegisterLane#41.6 234.5,98 v1(238.48,98) ; v1(70.49,82) 75.5,82 79.5,78 93.5,78 RegisterLane#55.1 ; v1(206.49,114) 212,114 215.5,110.5 222,110.5 RegisterLane#27.2 ; RegisterLane#26.6 234.5,50 v1(238.48,50) ; v1(246.48,58) 242,58 238.5,54.5 232,54.5 RegisterLane#9.7 ; v1(22.49,130) 27.5,130 RegisterLane#62.3 ; RegisterLane#57.4 158.48,104.02 v1(158.48,106) ; v1(110.48,106) 106.5,106 RegisterLane#60.6 ; RegisterLane#25.2 94,62.5 87.5,62.5 84,66 v1(78.49,66) ; v1(206.49,74) 212,74 215.5,70.5 222,70.5 RegisterLane#64.2 ; v1(126.48,74) 122,74 118,70 104.5,70 RegisterLane#14.8 ; v1(134.49,58) 139.5,58 143.5,54 157.5,54 RegisterLane#53.1 ; RegisterLane#59.5 38.48,110.98 v1(38.48,114) ; v1(62.48,74) 58,74 54,70 40.5,70 RegisterLane#4.8 ; v1(198.49,106) 203.5,106 207.5,102 221.5,102 RegisterLane#58.1 ; RegisterLane#53.4 158.48,56.02 v1(158.48,58) ; v1(102.48,98) 102.48,94.98 RegisterLane#2.5 ; v1(102.48,82) 102.48,78.98 RegisterLane#55.5 ; v1(238.48,130) 234.5,130 RegisterLane#16.6 ; v1(14.49,18) 20,18 23.5,14.5 30,14.5 RegisterLane#37.2 ; v1(94.48,18) 94.48,16.02 RegisterLane#33.4 ; RegisterLane#2.1 93.5,94 79.5,94 75.5,98 v1(70.49,98) ; v1(142.49,130) 148,130 151.5,126.5 158,126.5 RegisterLane#35.2 ; RegisterLane#19.6 42.5,50 v1(46.48,50) ; RegisterLane#10.7 232,6.5 238.5,6.5 242,10 v1(246.48,10) ; RegisterLane#49.4 158.48,72.02 v1(158.48,74) ; v1(230.48,50) 230.48,46.98 RegisterLane#26.5 ; v1(30.48,106) 30.48,104.02 RegisterLane#31.4 ; RegisterLane#17.4 94.48,48.02 v1(94.48,50) ; RegisterLane#24.1 221.5,30 207.5,30 203.5,34 v1(198.49,34) ; v1(182.48,42) 178,42 174.5,38.5 168,38.5 RegisterLane#21.7 ; v1(46.48,58) 42.5,58 RegisterLane#6.6 ; RegisterLane#28.4 158.48,8.02 v1(158.48,10) ; v1(222.48,26) 222.48,24.02 RegisterLane#7.4 ; v1(6.49,58) 11.5,58 15.5,54 29.5,54 RegisterLane#6.1 ; RegisterLane#44.2 94,118.5 87.5,118.5 84,122 v1(78.49,122) ; RegisterLane#36.6 106.5,58 v1(110.48,58) ; RegisterLane#46.6 234.5,18 v1(238.48,18) ; v1(94.48,42) 94.48,40.02 RegisterLane#54.4 ; v1(166.48,90) 166.48,86.98 RegisterLane#30.5 ; v1(166.48,66) 166.48,62.98 RegisterLane#52.5 ; v1(254.48,18) 250,18 246,14 232.5,14 RegisterLane#46.8 ; v1(238.48,114) 234.5,114 RegisterLane#27.6 ; RegisterLane#38.3 91.5,26 v1(86.49,26) ; RegisterLane#52.7 168,62.5 174.5,62.5 178,66 v1(182.48,66) ; v1(222.48,34) 222.48,32.02 RegisterLane#24.4 ; RegisterLane#50.2 222,62.5 215.5,62.5 212,66 v1(206.49,66) ; RegisterLane#64.3 219.5,74 v1(214.49,74) ; RegisterLane#7.2 222,22.5 215.5,22.5 212,26 v1(206.49,26) ; RegisterLane#30.4 158.48,88.02 v1(158.48,90) ; RegisterLane#16.7 232,126.5 238.5,126.5 242,130 v1(246.48,130) ; RegisterLane#25.8 104.5,62 118,62 122,66 v1(126.48,66) ; v1(238.48,10) 234.5,10 RegisterLane#10.6 ; RegisterLane#41.5 230.48,94.98 v1(230.48,98) ; RegisterLane#48.8 168.5,110 182,110 186,114 v1(190.48,114) ; RegisterLane#7.6 234.5,26 v1(238.48,26) ; v1(118.48,90) 114,90 110.5,86.5 104,86.5 RegisterLane#45.7 ; RegisterLane#42.5 230.48,86.98 v1(230.48,90) ; v1(246.48,82) 242,82 238.5,78.5 232,78.5 RegisterLane#47.7 ; RegisterLane#2.4 94.48,96.02 v1(94.48,98) ; v1(166.48,74) 166.48,70.98 RegisterLane#49.5 ; v1(110.48,18) 106.5,18 RegisterLane#33.6 ; v1(126.48,58) 122,58 118,54 104.5,54 RegisterLane#36.8 ; v1(38.48,106) 38.48,102.98 RegisterLane#31.5 ; v1(214.49,66) 219.5,66 RegisterLane#50.3 ; v1(86.49,130) 91.5,130 RegisterLane#11.3 ; v1(150.49,10) 155.5,10 RegisterLane#28.3 ; RegisterLane#32.8 168.5,94 182,94 186,98 v1(190.48,98) ; v1(14.49,10) 20,10 23.5,6.5 30,6.5 RegisterLane#15.2 ; v1(118.48,122) 114,122 110.5,118.5 104,118.5 RegisterLane#44.7 ; v1(70.49,106) 75.5,106 79.5,102 93.5,102 RegisterLane#60.1 ; RegisterLane#46.3 219.5,18 v1(214.49,18) ; v1(190.48,58) 186,58 182,54 168.5,54 RegisterLane#53.8 ; RegisterLane#34.1 29.5,86 15.5,86 11.5,90 v1(6.49,90) ; v1(14.49,50) 20,50 23.5,46.5 30,46.5 RegisterLane#19.2 ; RegisterLane#58.4 222.48,104.02 v1(222.48,106) ; v1(246.48,122) 242,122 238.5,118.5 232,118.5 RegisterLane#61.7 ; RegisterLane#21.5 166.48,38.98 v1(166.48,42) ; RegisterLane#27.5 230.48,110.98 v1(230.48,114) ; RegisterLane#22.1 157.5,46 143.5,46 139.5,50 v1(134.49,50) ; RegisterLane#20.4 158.48,32.02 v1(158.48,34)
